# Altium PCB ROS-Robot-Controller.PcbDoc (part 1 of 2)
Units mil, origin at the board's own origin, x right, y up, seen from the top; angles counter-clockwise.
Board outline 1972.2 x 2280.91 mil, 2 copper layers (Top Layer, Bottom Layer); 89 components, 89 nets, 432 pads, 317 vias.
Unrouted connection lines stored in the file: 20.
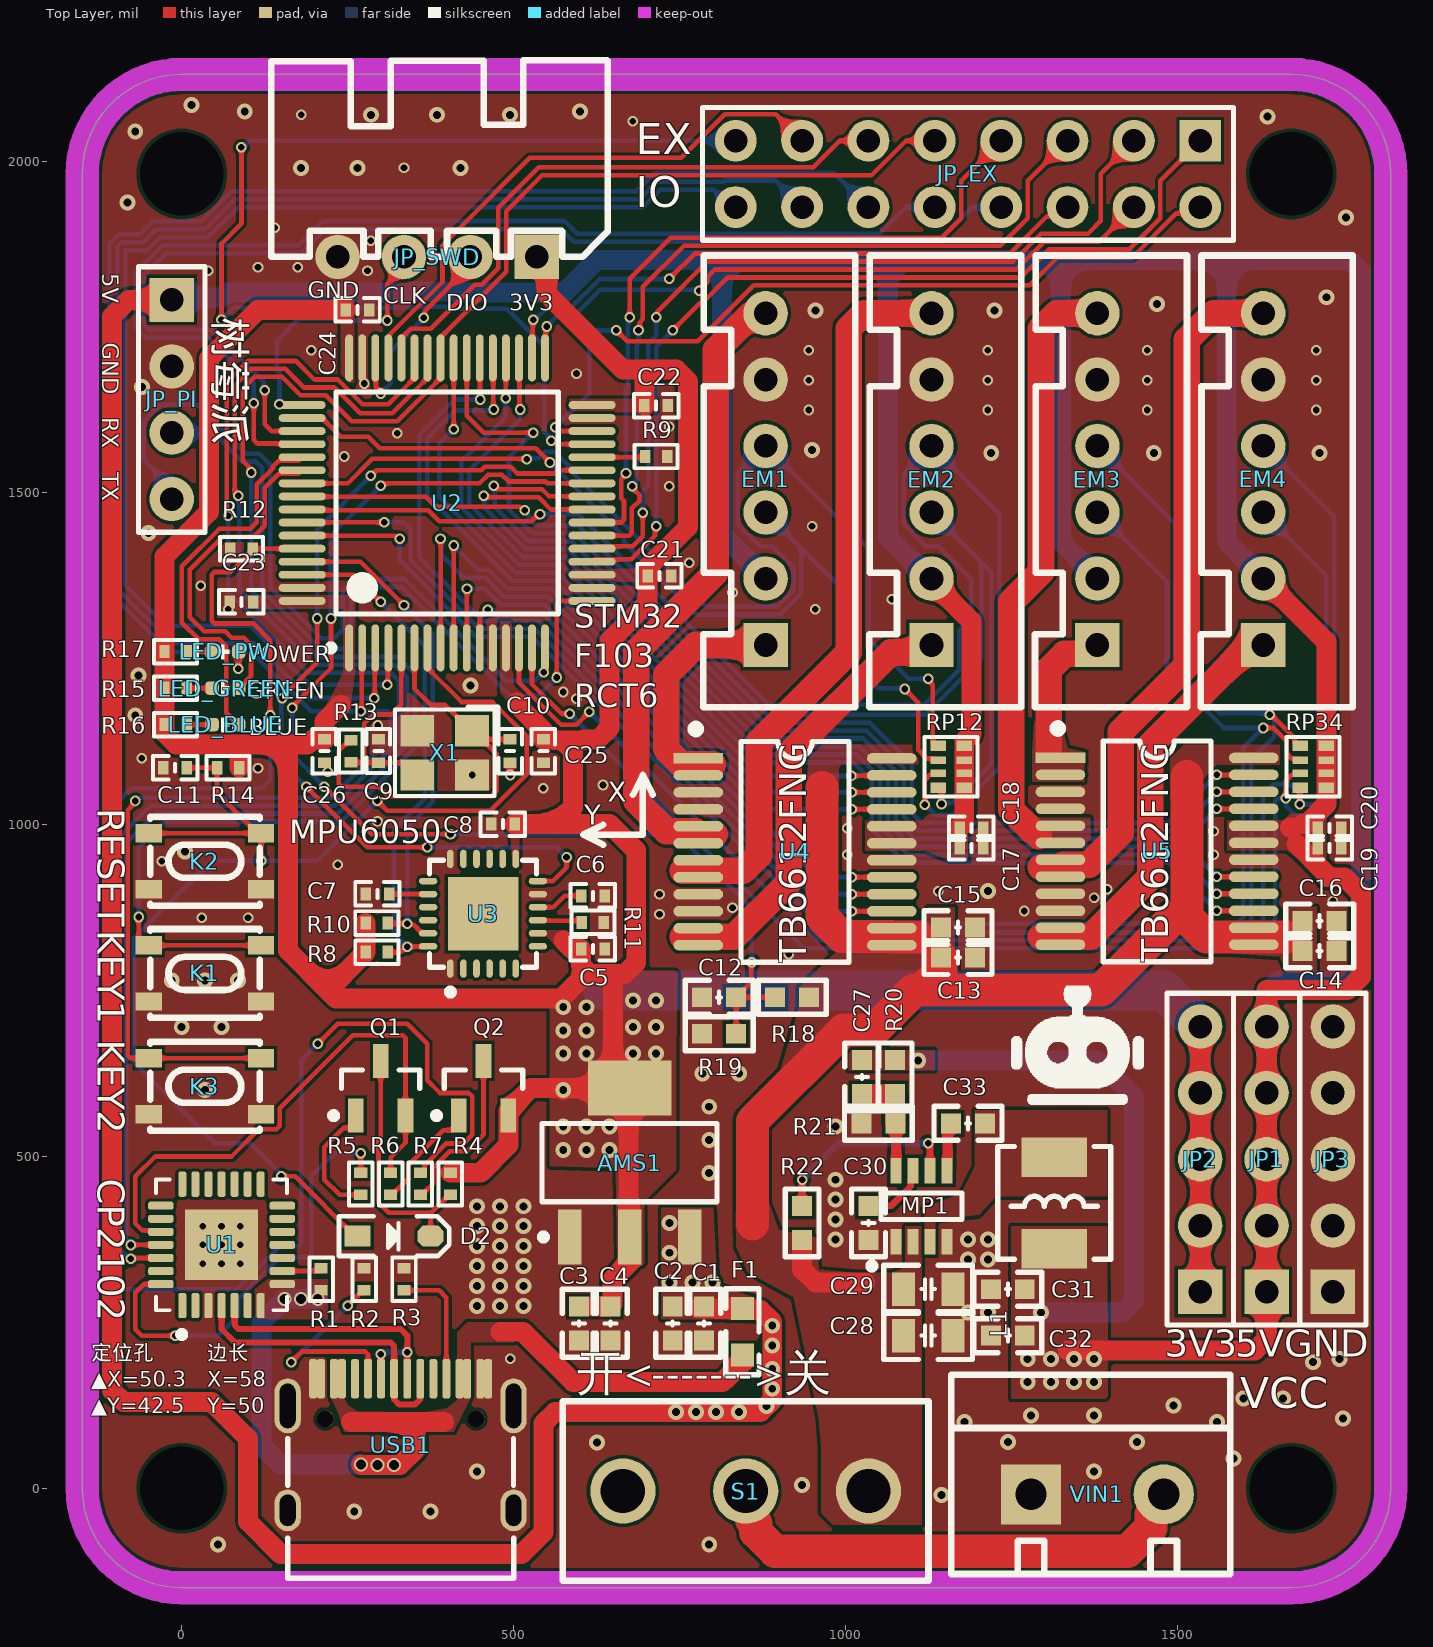
[diagram p0: Top Layer view]
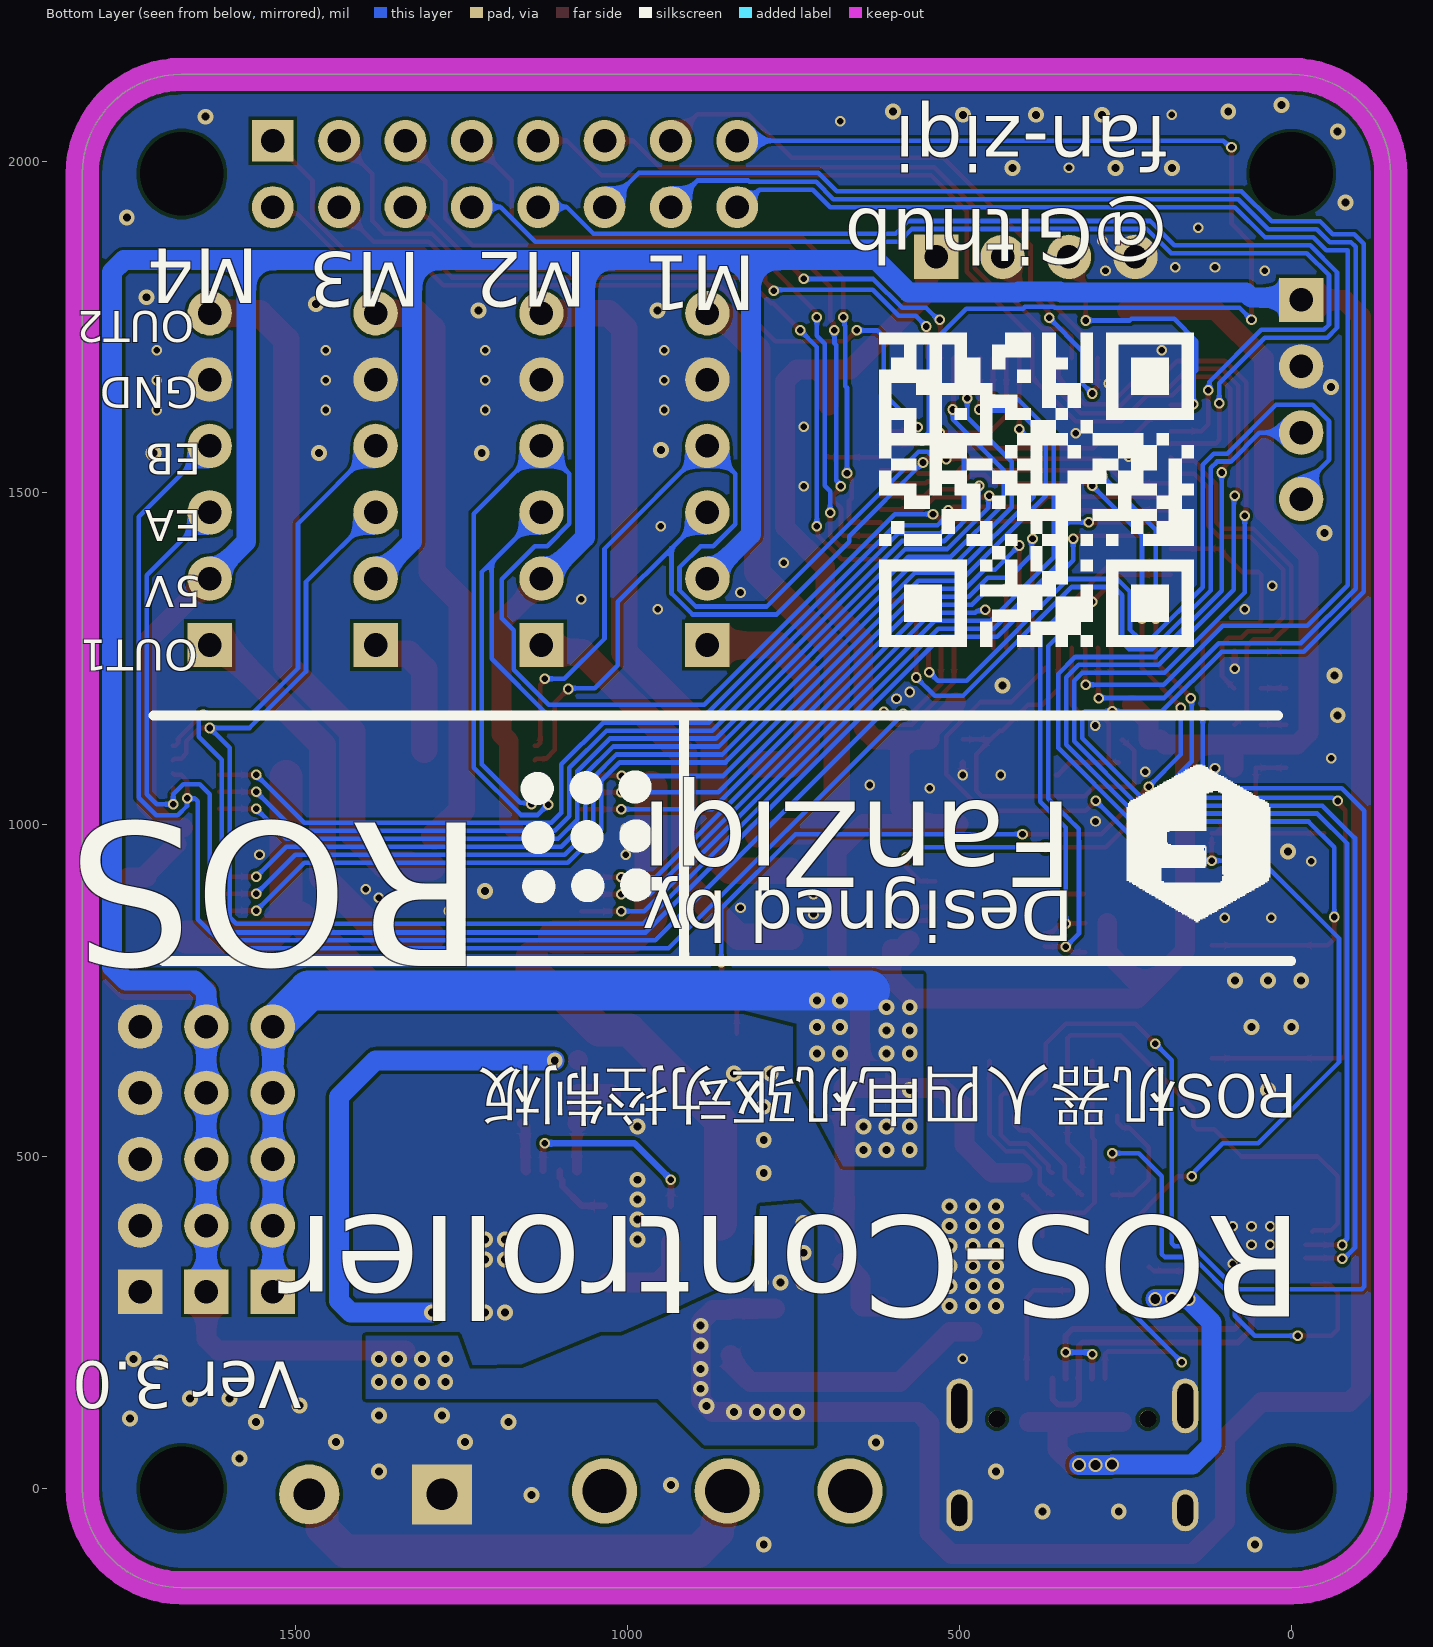
[diagram p1: Bottom Layer view, seen from below]

## Layer stack, top to bottom
Top Solder: solder mask 0.4, Solder Resist, Dk 3.5
Top Layer: signal copper 1.4
Dielectric 1: dielectric 12.6, FR-4, Dk 4.8
Bottom Layer: signal copper 1.4
Bottom Solder: solder mask 0.4, Solder Resist, Dk 3.5

## Board outline
-150,0 ccw(c0,0) 0,-150 1672.2,-150 ccw(c1672.2,0) 1822.2,0 1822.2,1980.91 ccw(c1672.2,1980.91) 1672.2,2130.91 0,2130.91 ccw(c0,1980.91) -150,1980.91

## Design rules (kind name [scope] priority, off if disabled: settings)
Clearance [All] p1: gap=5 ignorepadtopadclearanceinfootprint=FALSE except(0: Arc-Text Track-Text SMDPad-Text THPad-Text Via-Text Fill-Text Poly-Text Region-Text Text-Text Text-Hole)
ComponentClearance [All] p1: gap=0 collisioncheckmode=3 verticalgap=0 showdistances=FALSE
DiffPairsRouting [InDifferentialPair ('CP2102')] p1: maxlimit=10 minlimit=5 mostfreqgap=7 toplayer_minwidth=4 toplayer_maxwidth=9 toplayer_prefwidth=4 bottomlayer_minwidth=4 bottomlayer_maxwidth=9 bottomlayer_prefwidth=4 maxuncoupledlength=500
FanoutControl Fanout_BGA [All] p1: bgadir=Out bgaviamode=Centered fanoutstyle=Auto fanoutdirection=Alternating viagrid=1 // Fanout_BGA (Default Rule)
HoleSize [All] p1: absolutevalues=TRUE maxlimit=235 minlimit=8 maxpercent=80.000 minpercent=20.000
MatchedLengths DiffPair_MatchedLengths [InDifferentialPair ('CP2102')] p1: tolerance=1000 checknetsindiffpair=FALSE checkdiffpairvsdiffpair=TRUE checkxsignals=TRUE checkothers=TRUE
MatchedLengths DiffPair_MatchedLengths_1 [InDifferentialPair ('USB')] p2: tolerance=1000 checknetsindiffpair=FALSE checkdiffpairvsdiffpair=TRUE checkxsignals=TRUE checkothers=TRUE
MinimumSolderMaskSliver [All] p1 off: minsoldermaskwidth=2
NetsToIgnore [InNet('GND')] p1:
PlaneClearance [All] p1: clearance=8
PlaneConnect [All] p1: planeconnectstyle=Direct reliefexpansion=20 reliefentries=4 reliefconductorwidth=10 reliefairgap=10
PolygonConnect [All] p1: connectstyle=Direct reliefconductorwidth=10 reliefentries=4 polygonreliefangle="90 Angle" airgapwidth=10
RoutingVias [All] p1: holewidth=10 width=16 viastyle="Through Hole" minholewidth=6 minwidth=12 maxholewidth=28 maxwidth=50
SMDNeckDown [All] p1: percent=10000.000
SilkToSilkClearance [All] p1: silktosilkclearance=0
SilkToSolderMaskClearance [IsPad] p1: minsilkscreentomaskgap=0 clearancetoexposedcopper=TRUE
SolderMaskExpansion [All] p1: expansion=3 istentingtop=FALSE
Width [InNetClass('BuXian')] p1: maxlimit=7 minlimit=7 preferedwidth=7
Width MOTOR [InNetClass('MOTOR')] p2: maxlimit=40 minlimit=40 preferedwidth=40
Width VCC12V [InNetClass('VCC12V')] p3: maxlimit=50 minlimit=10 preferedwidth=50
Width VCC3V3 [InNetClass('VCC3V3')] p4: maxlimit=60 minlimit=30 preferedwidth=30
Width VCC5V [InNetClass('VCC5V')] p5: maxlimit=60 minlimit=30 preferedwidth=30
Width GND [InNet('GND')] p6: maxlimit=60 minlimit=10 preferedwidth=60
21 further rules are at their usual default settings.

## Classes and differential pairs
net class MOTOR: M1OUT1 M1OUT2 M2OUT1 M2OUT2 M3OUT1 M3OUT2 M4OUT1 M4OUT2
net class VCC5V: USB_5V VCC5V
net class VCC3V3: VCC3V3
net class VCC12V: NetS1_2 VCC12V
net class BuXian: BOOT0 BOOT1 CP2102_D+ CP2102_D- DTR KEY1 KEY2 LED_BLUE LED_GREEN M1EA M1EB M1IN1 M1IN2 M1PWM M2EA M2EB M2IN1 M2IN2 M2PWM M3EA M3EB M3IN1 M3IN2 M3PWM M4EA M4EB M4IN1 M4IN2 M4PWM MPU6050_INT MPU6050_SCL MPU6050_SDA NetC6_2 NetC7_1 NetD2_2 NetLED_BLUE_1 NetLED_GREEN_1 NetLED_PW_1 NetQ1_1 NetQ2_1 NetQ2_3 NetR1_1 NetR2_2 NetR3_2 NetR11_2 OSCIN OSCOUT PA4 PA5 PA6 PA7 PA11 PA12 PB10 PB11 PB12 PB13 PC10 PC11 PC14 PC15 RESET RTS SWCLK SWDIO USART1_RX_DEBUG USART1_TX_DEBUG USART2_RX_PI USART2_TX_PI VIN_ADC
differential pair CP2102: +CP2102_D+ -CP2102_D-

## Components (designator, comment, footprint, x,y, rotation, side; value= is the part's Value field where it differs from the comment)
AMS1 "AMS1117-3V3" SOT223_L 675,490.91 r90 top
C1 "22uf" C0603_L 787,248.62 r90 top
C2 "0.1uf" C0603_L 740,248.62 r90 top
C3 "0.1uf" C0603_L 599,248.62 r90 top
C4 "22uf" C0603_L 646,248.62 r90 top
C5 "0.1uf" C0402_L 619.64,812.95 r180 top
C6 "0.1uf" C0402_L 619.64,892.95 r180 top
C7 "2.2nf" C0402_L 295,895.91 r180 top
C8 "0.1uf" C0402_L 484.09,1000.91 r180 top
C9 "20pf" C0402_L 296.34,1111.18 r90 top
C10 "20pf" C0402_L 495,1110.91 r270 top
C11 "0.1uf" C0402_L -10,1085.91 r0 top
C12 "0.1uf" C0603_L 810,740 r0 top
C13 "0.1uf" C0603_L 1170,800 r180 top
C14 "0.1uf" C0603_L 1715,810 r180 top
C15 "10uf" C0603_L 1170,845 r180 top
C16 "10uf" C0603_L 1715,855 r180 top
C17 "0.1uf" C0402_L 1190,965 r0 top
C18 "10uf" C0402_L 1190,995 r180 top
C19 "0.1uf" C0402_L 1730,965 r0 top
C20 "10uf" C0402_L 1730,995 r180 top
C21 "0.1uf" C0402_L 720,1375 r180 top
C22 "0.1uf" C0402_L 715,1631.81 r180 top
C23 "0.1uf" C0402_L 90,1335.91 r0 top
C24 "0.1uf" C0402_L 265,1775.91 r180 top
C25 "0.1uf" C0402_L 545,1110.91 r90 top
C26 "0.1uf" C0402_L 215,1110.91 r90 top
C27 "33pf" C0603_L 1025,620 r90 top
C28 "22uf" C0805_L 1125,230 r180 top
C29 "0.1uf" C0805_L 1125,300 r180 top
C30 "0.1uf" C0603_L 1035,400 r90 top
C31 "22uf" C0603_L 1245,300 r0 top
C32 "22uf" C0603_L 1245,230 r0 top
C33 "0.1uf" C0603_L 1185,550 r180 top
D2 "1N4148" SOD-323 320,380 r0 top
EM1 "HDR-1X6" XH2.54-LI-6P 880,1520.91 r90 top
EM2 "HDR-1X6" XH2.54-LI-6P 1130,1520.91 r90 top
EM3 "HDR-1X6" XH2.54-LI-6P 1380,1520.91 r90 top
EM4 "HDR-1X6" XH2.54-LI-6P 1630,1520.91 r90 top
F1 "MSMD200-8V 2A" "FU 0603" 845,235.91 r90 top
JP1 "HDR-1X5" HDR2.54-LI-5P 1635,495.91 r90 top
JP2 "HDR-1X5" HDR2.54-LI-5P 1535,495.91 r90 top
JP3 "HDR-1X5" HDR2.54-LI-5P 1735,495.91 r90 top
JP_EX "Header 8X2" HDR2.54-LI-2x8P 1185,1980.9 r180 top
JP_PI "HDR-1X4" HDR2.54-LI-4P -15,1640.91 r270 top
JP_SWD "HDR-1X4" XH2.54-WI-4P 385,1855.91 r180 top
K1 "TACT 4P" SW-SMD_4P-L4.2-W3.3-P2.15-LS5.1 35,775.91 r0 top value=3.4x3.5
K2 "TACT 4P" SW-SMD_4P-L4.2-W3.3-P2.15-LS5.1 35,945 r0 top value=3.4x3.5
K3 "TACT 4P" SW-SMD_4P-L4.2-W3.3-P2.15-LS5.1 35,605.91 r0 top value=3.4x3.5
L1 "4.7uH" L-SMD-0420 1315,430 r90 top
LED_BLUE "红色" LED_0402_RED 65.83,1150.91 r0 top
LED_GREEN "红色" LED_0402_RED 65.83,1205.91 r0 top
LED_PW "红色" LED_0402_RED 65.83,1260.91 r0 top
MP1 "MP2315GJ" SOT23-8N 1115,425 r90 top
Q1 "SS8050" SOT23-3N 299.84,602.95 r90 top
Q2 "SS8550" SOT23-3N 454.84,602.95 r90 top
R1 "4.7K" R0402_L 210,315 r270 top
R2 "5.1K" R0402_L 275,315 r270 top
R3 "5.1K" R0402_L 335,315 r270 top
R4 "10K" R0402_L 404.84,458.86 r270 top
R5 "1K" R0402_L 269.84,458.86 r270 top
R6 "1K" R0402_L 314.84,458.86 r270 top
R7 "1K" R0402_L 359.84,458.86 r90 top
R8 "4.7K" R0402_L 294.02,807.95 r180 top
R9 "10K" R0402_L 715,1555 r0 top
R10 "4.7K" R0402_L 294.02,851.93 r180 top
R11 "10K" R0402_L 619.64,852.95 r180 top
R12 "10K" R0402_L 90,1415.91 r180 top
R13 "1M" R0402_L 255,1110.91 r270 top
R14 "10K" R0402_L 70,1085.91 r0 top
R15 "1K" R0402_L -9.17,1205.91 r180 top
R16 "1K" R0402_L -9.17,1150.91 r180 top
R17 "1K" R0402_L -9.17,1260.91 r180 top
R18 "10K" R0603_L 920,740 r0 top
R19 "1K" R0603_L 810,685 r0 top
R20 "40.2K" R0603_L 1075,620 r270 top
R21 "5.49K" R0603_L 1050,550 r180 top
R22 "100K" R0603_L 935,400 r270 top
RP12 "4.7K" RCA-8P4R-0402 1159.69,1087.4 r270 top
RP34 "4.7K" RCA-8P4R-0402 1705.31,1087.4 r270 top
S1 "SS-12F23" SS-12D10 849.96,-4.09 r0 top
U1 "CP2102" QFN-28 60,366.81 r90 top value=Value
U2 "STM32F103RCT6" LQFP64_N 400,1485 r90 top
U3 "MPU6050" QFN-24 454.1,865.9 r90 top
U4 "TB6612FNG" SSOP24_M 924.33,959.29 r0 top
U5 "TB6612FNG" SSOP24_M 1470,960 r0 top
USB1 "Type-C" Type-C-TOP 330,65.91 r270 top
VIN1 "HDR-1X2" KF301-5.0-2P 1480,-9.09 r0 top
X1 "8M" "OSC 3225-4P" 396.34,1108.46 r180 top

## Footprints (in the part's own frame and the unit in brackets; to place one, negate y for a bottom-side part, rotate by r counter-clockwise, add the part's x,y. Pads: shape width x height; smd on the part's side, far side on the other; paste and mask are expansions set on the pad)
C0402_L [mm] "无极性贴片电容"
  rect 0.4x0.5 smd: 1(-0.45,0) 2(0.45,0)
  silkscreen extent -0.85,-0.45 0.85,0.45, body extent -0.5,-0.26 0.5,0.26, height 0.54
C0603_L [mil] "无极性贴片电容"
  rect 30x30 smd: 1(-25.59,0) 2(25.59,0)
  silkscreen extent -51,-26 51,26, body extent -31,-16 32,16, height 33
C0805_L [mil] "无极性贴片电容"
  rect 35x50 smd: 1(-37.4,0) 2(37.4,0)
  silkscreen extent -67,-36 67,36, body extent -39,-24 39,24, height 22
"FU 0603" [mil] "贴片保险丝"
  rect 35x35 smd: 1(-35,0) 2(35,0)
  silkscreen extent -65,-25 65,25, body extent -31,-16 32,16, height 20
HDR2.54-LI-2x8P [mm] "双排排针，8x2脚"
  rect 1.6x1.6 hole 0.9: 1(-8.89,-1.27)
  round 1.6 hole 0.9: 2(-8.89,1.27) 3(-6.35,-1.27) 4(-6.35,1.27) 5(-3.81,-1.27) 6(-3.81,1.27) 7(-1.27,-1.27) 8(-1.27,1.27) 9(1.27,-1.27) 10(1.27,1.27) 11(3.81,-1.27) 12(3.81,1.27) 13(6.35,-1.27) 14(6.35,1.27) 15(8.89,-1.27) 16(8.89,1.27)
  silkscreen extent -10.16,-2.54 10.16,2.54, body extent -10.16,-2.54 10.16,2.54, height 8.5
HDR2.54-LI-4P [mm] "排针，4脚"
  rect 1.7x1.7 hole 0.9: 1(-3.81,0)
  round 1.7 hole 0.9: 2(-1.27,0) 3(1.27,0) 4(3.81,0)
  silkscreen extent -5.08,-1.27 5.08,1.27, body extent -5.08,-1.27 5.08,1.27, height 2.54
HDR2.54-LI-5P [mm] "排针，5脚"
  rect 1.7x1.7 hole 0.9: 1(-5.08,0)
  round 1.7 hole 0.9: 2(-2.54,0) 3(0,0) 4(2.54,0) 5(5.08,0)
  silkscreen extent -6.35,-1.27 6.35,1.27, body extent -6.35,-1.27 6.35,1.27, height 2.54
KF301-5.0-2P [mm] "可拼接端子/6A"
  rect 2.3x2.3 hole 1.2: 1(-5.08,0)
  round 2.3 hole 1.2: 2(0,0)
  silkscreen extent -8.13,-3.05 2.54,4.57, body extent -7.95,-3 2.55,4.6, height 3.29
L-SMD-0420 [mm] "一体化成型电感"
  rect 1.5x2.5 smd: 1(-1.75,0) 2(1.75,0)
  silkscreen extent -2.16,-2.16 2.16,2.16, body extent -2.25,-2.05 2.25,2.05, height 2.05
LED_0402_RED [mil]
  rrect50% 20x20 smd: 1(-20,0) 2(20,0)
  silkscreen extent -6,-11 6,10, body extent -20,-10 20,10, height 18
LQFP64_N [mm] "Thin QFP, 64-Leads, Body 10x10mm, Pitch 0.5mm, IPC Medium Density封装库来自淘宝 ID：黄晶宝石"
  oval 1.8x0.3 smd: 1(-5.55,3.75) 2(-5.55,3.25) 3(-5.55,2.75) 4(-5.55,2.25) 5(-5.55,1.75) 6(-5.55,1.25) 7(-5.55,0.75) 8(-5.55,0.25) 9(-5.55,-0.25) 10(-5.55,-0.75) 11(-5.55,-1.25) 12(-5.55,-1.75) 13(-5.55,-2.25) 14(-5.55,-2.75) 15(-5.55,-3.25) 16(-5.55,-3.75) 33(5.55,-3.75) 34(5.55,-3.25) 35(5.55,-2.75) 36(5.55,-2.25) 37(5.55,-1.75) 38(5.55,-1.25) 39(5.55,-0.75) 40(5.55,-0.25) 41(5.55,0.25) 42(5.55,0.75) 43(5.55,1.25) 44(5.55,1.75) 45(5.55,2.25) 46(5.55,2.75) 47(5.55,3.25) 48(5.55,3.75)
  oval 0.3x1.8 smd: 17(-3.75,-5.55) 18(-3.25,-5.55) 19(-2.75,-5.55) 20(-2.25,-5.55) 21(-1.75,-5.55) 22(-1.25,-5.55) 23(-0.75,-5.55) 24(-0.25,-5.55) 25(0.25,-5.55) 26(0.75,-5.55) 27(1.25,-5.55) 28(1.75,-5.55) 29(2.25,-5.55) 30(2.75,-5.55) 31(3.25,-5.55) 32(3.75,-5.55) 49(3.75,5.55) 50(3.25,5.55) 51(2.75,5.55) 52(2.25,5.55) 53(1.75,5.55) 54(1.25,5.55) 55(0.75,5.55) 56(0.25,5.55) 57(-0.25,5.55) 58(-0.75,5.55) 59(-1.25,5.55) 60(-1.75,5.55) 61(-2.25,5.55) 62(-2.75,5.55) 63(-3.25,5.55) 64(-3.75,5.55)
  silkscreen extent -5.67,-4.25 4.25,4.57, body extent -6,-6 6,6, height 1.45
"OSC 3225-4P" [mm] "3.2*2.5*0.7mm(长宽高)"
  rect 1.3x1.2 smd: 1(-1.05,-0.85) 2(1.05,-0.85) 3(1.05,0.85) 4(-1.05,0.85)
  silkscreen extent -2.03,-1.75 1.91,1.65, body extent -1.6,-1.25 1.6,1.25, height 0.7
QFN-24 [mm] "QFN, 24-Leads, Body 4.1x4.1mm (max), Pitch 0.50mm, IPC Low Density"
  oval 0.7x0.25 smd: 1(-2.1,1.25) 2(-2.1,0.75) 3(-2.1,0.25) 4(-2.1,-0.25) 5(-2.1,-0.75) 6(-2.1,-1.25) 13(2.1,-1.25) 14(2.1,-0.75) 15(2.1,-0.25) 16(2.1,0.25) 17(2.1,0.75) 18(2.1,1.25)
  oval 0.25x0.7 smd: 7(-1.25,-2.1) 8(-0.75,-2.1) 9(-0.25,-2.1) 10(0.25,-2.1) 11(0.75,-2.1) 12(1.25,-2.1) 19(1.25,2.1) 20(0.75,2.1) 21(0.25,2.1) 22(-0.25,2.1) 23(-0.75,2.1) 24(-1.25,2.1)
  rect 2.8x2.7 smd: ""(0,0)
  silkscreen extent -3.12,-2.05 2.05,2.05, body extent -2.02,-2.02 2.02,2.02, height 0.95
QFN-28 [mil]
  rrect50% 38x12 smd mask+5: 1(-91.5,59.05) 2(-91.5,39.37) 3(-91.5,19.68) 4(-91.5,0) 5(-91.5,-19.69) 6(-91.5,-39.37) 7(-91.5,-59.06) 15(91.5,-59.06) 16(91.5,-39.37) 17(91.5,-19.69) 18(91.5,0) 19(91.5,19.68) 20(91.5,39.37) 21(91.5,59.05)
  rrect50% 12x38 smd mask+5: 8(-59.05,-91.5) 9(-39.37,-91.5) 10(-19.68,-91.5) 11(0,-91.5) 12(19.69,-91.5) 13(39.37,-91.5) 14(59.06,-91.5) 22(59.06,91.5) 23(39.37,91.5) 24(19.69,91.5) 25(0,91.5) 26(-19.68,91.5) 27(-39.37,91.5) 28(-59.05,91.5)
  rect 106.3x110.24 smd: 29(0,0)
  silkscreen extent -140,-98 99,98, body extent -98,-98 98,98, height 35
R0402_L [mm] "1/16W贴片电阻"
  rect 0.4x0.5 smd: 1(-0.425,0) 2(0.425,0)
  silkscreen extent -0.83,-0.45 0.82,0.45, body extent -0.5,-0.25 0.5,0.25, height 0.3
R0603_L [mil] "1/10W贴片电阻"
  rect 30x30 smd: 1(-25.59,0) 2(25.59,0)
  silkscreen extent -51,-26 51,26, body extent -31,-16 32,16, height 16
RCA-8P4R-0402 [mm] "2mm*1mm*0.45mm(长*宽*厚)             淘宝ID:黄晶宝石"
  rect 0.4x0.6 smd: 1(-0.8,-0.5) 4(0.8,-0.5) 5(0.8,0.5) 8(-0.8,0.5)
  rect 0.3x0.6 smd: 2(-0.25,-0.5) 3(0.25,-0.5) 6(0.25,0.5) 7(-0.25,0.5)
  silkscreen extent -1.14,-1.02 1.15,1.01, body extent -1,-0.5 1,0.5, height 0.45
SOD-323 [mm] "1.8x1.3X0.9mm（长宽高，不包括引脚）"
  rect 1x0.8 smd: 1(-1.4,0)
  oct 1x0.8 smd: 2(1.4,0)
  silkscreen extent -2.11,-0.76 2.11,0.76, body extent -1.32,-0.65 1.32,0.65, height 0.95
SOT23-3N [mm] "SOT23, 3-Leads, Body 2.9x1.3mm, Pitch 0.95mm, Lead Span 2.4mm, IPC Medium Density"
  rect 1.3x0.6 smd: 1(-1.05,0.95) 2(-1.05,-0.95) 3(1.05,0)
  silkscreen extent -1.17,-1.5 0.7,1.92, body extent -1.2,-1.5 1.2,1.5, height 1.05
SOT23-8N [mil] "SOT23, 8-Leads, Body 2.9x1.75mm, Pitch 0.65mm."
  rect 38.5x17 smd paste+0: 1(-53.75,38.39) 2(-53.75,12.8) 3(-53.75,-12.8) 4(-53.75,-38.39) 5(53.75,-38.39) 6(53.75,-12.8) 7(53.75,12.8) 8(53.75,38.39)
  silkscreen extent -95,-61 20,80, body extent -55,-59 55,59, height 47
SOT223_L [mm] "SOT223, 4-Leads, Body 6.5x3.5mm, Pitch 2.3mm, Lead Span 7mm, IPC High Density"
  rect 2.1x0.9 smd: 1(-2.85,2.3) 2(-2.85,0) 3(-2.85,-2.3)
  rect 2.1x3.2 smd: 4(2.85,0)
  silkscreen extent -2.97,-3.35 1.5,3.42, body extent -1.85,-3.35 1.85,3.35, height 1.7
SS-12D10 [mm] "脚距3mm      淘宝ID:黄晶宝石"
  round 2.5 hole 1.7: 1(-4.7,0) 2(0,0) 3(4.7,0)
  silkscreen extent -7,-3.43 7,3.43, body extent -7,-3.1 7,3.1, height 9.65
SSOP24_M [mm] "8.3*7.8*1.6（长宽高）"
  rect 1.9x0.4 smd: 1(-3.7,3.575)
  oval 1.9x0.4 smd: 2(-3.7,2.925) 3(-3.7,2.275) 4(-3.7,1.625) 5(-3.7,0.975) 6(-3.7,0.325) 7(-3.7,-0.325) 8(-3.7,-0.975) 9(-3.7,-1.625) 10(-3.7,-2.275) 11(-3.7,-2.925) 12(-3.7,-3.575) 13(3.7,-3.575) 14(3.7,-2.925) 15(3.7,-2.275) 16(3.7,-1.625) 17(3.7,-0.975) 18(3.7,-0.325) 19(3.7,0.325) 20(3.7,0.975) 21(3.7,1.625) 22(3.7,2.275) 23(3.7,2.925) 24(3.7,3.575)
  silkscreen extent -3.93,-4.23 2.07,4.83, body extent -3.85,-4.15 3.85,4.15, height 1.65
SW-SMD_4P-L4.2-W3.3-P2.15-LS5.1 [mm]
  rect 1x0.7 smd: 1(-2.15,1.075) 2(2.15,1.075) 3(-2.15,-1.075) 4(2.15,-1.075)
  silkscreen extent -2.1,-1.7 2.1,1.7
Type-C-TOP [mm]
  round 0.65 hole 0.65: 0(-0.98,2.89) 0(-0.98,-2.89)
  oval 1.6x1 hole 0.6 slot 1.2 at 0 deg: 1(2.52,4.325) 2(2.52,-4.325)
  oval 2.1x1 hole 0.6 slot 1.7 at 0 deg: 3(-1.48,-4.325) 4(-1.48,4.325)
  rrect50% 1.5x0.3 smd: A1(-2.52,-3.35) A4(-2.52,-2.55) A5(-2.52,-1.25) A6(-2.52,-0.25) A7(-2.52,0.25) A8(-2.52,1.25) A9(-2.52,2.55) A12(-2.52,3.35) B1(-2.52,3.05) B4(-2.52,2.25) B5(-2.52,1.75) B6(-2.52,0.75) B7(-2.52,-0.75) B8(-2.52,-1.75) B9(-2.52,-2.25) B12(-2.52,-3.05)
  silkscreen extent -0.22,-4.33 5.12,4.32, body extent -2.57,-4.48 5.18,4.48, height 3.26
XH2.54-LI-6P [mm] "接插件，6P"
  rect 1.7x1.7 hole 0.9: 1(-6.35,0)
  round 1.7 hole 0.9: 2(-3.81,0) 3(-1.27,0) 4(1.27,0) 5(3.81,0) 6(6.35,0)
  silkscreen extent -8.74,-3.43 8.56,2.39, body extent -8.85,-3.3 8.85,2.4, height 7.05
XH2.54-WI-4P [mm] "接插件，4P"
  rect 1.7x1.7 hole 0.9: 1(-3.81,0)
  round 1.7 hole 0.9: 2(-1.27,0) 3(1.27,0) 4(3.81,0)
  silkscreen extent -6.53,-7.53 6.35,0, body extent -6.31,-7.5 6.31,0.2, height 2.89

## Part data
AMS1: library part AMS1117, "三端稳压芯片", BOM名称=稳压芯片, 封装库来自淘宝卖家 ID：黄晶宝石=其他店铺购入均为盗版，请立即申请退款，本店现金奖励5~20元, 联系卖家 免费查找封装=唯一出售店铺网址https://shop463601444.taobao.com
C1 C2 C3 C4 C5 C6 C7 C8 C9 C10 C11 C12 C13 C14 C15 C16 C17 C18 C19 C20 C21 C22 C23 C24 C25 C26 C27 C28 C29 C30 C31 C32 C33: library part C, "贴片电容", BOM名称=无极性贴片电容, 封装库来自淘宝卖家ID：黄晶宝石=其他店铺购入均为盗版假冒封装库，请立即申请退款, 联系卖家，免费查找封装=唯一出售店铺网址https://shop463601444.taobao.com
D2: "开关二极管", BOM名称=高速开关二极管, 联系卖家，免费查找封装=唯一出售店铺网址https://shop463601444.taobao.com
EM1 EM2 EM3 EM4: library part "Header 6", "6P接插件", BOM名称=6P接插件, 封装库来自淘宝卖家 ID：黄晶宝石=其他店铺购入均为盗版假冒封装库, 联系卖家，免费查找封装=唯一出售店铺网址https://shop463601444.taobao.com
F1: library part FU, "贴片保险丝", BOM名称=贴片保险丝, 联系卖家，免费查找封装=唯一出售店铺网址https://shop463601444.taobao.com
JP1 JP2 JP3: library part "Header 5", "5P接插件", BOM名称=5P接插件, 封装库来自淘宝卖家 ID：黄晶宝石=其他店铺购入均为盗版假冒封装库, 联系卖家，免费查找封装=唯一出售店铺网址https://shop463601444.taobao.com
JP_EX: "8*2P接插件", BOM名称=8*2P接插件, 封装库来自淘宝卖家 ID：黄晶宝石=其他店铺购入均为盗版假冒封装库, 联系卖家，免费查找封装=唯一出售店铺网址https://shop463601444.taobao.com
JP_PI JP_SWD: library part "Header 4", "4P接插件", BOM名称=4P接插件, 封装库来自淘宝卖家 ID：黄晶宝石=其他店铺购入均为盗版假冒封装库, 联系卖家，免费查找封装=唯一出售店铺网址https://shop463601444.taobao.com
K1 K2 K3: library part ButtonTACT, "Button", Type="TACT 4P"
L1: library part "L-Molding Choke", "一体成型电感", BOM名称=一体成型电感, 封装库来自淘宝卖家ID：黄晶宝石=其他店铺购入均为盗版假冒封装库，请立即申请退款, 联系卖家，免费查找封装=唯一出售店铺网址https://shop463601444.taobao.com
LED_BLUE LED_GREEN LED_PW: library part LED-SMD, "贴片LED", BOM名称=贴片LED, 封装库来自淘宝卖家 ID：黄晶宝石=其他店铺购入均为假冒，请立即申请退款，本店奖励现金5~20元
MP1: library part MP2315, "3A/24V DC-DC降压芯片", 封装库来自淘宝卖家 ID：黄晶宝石=其他店铺购入均为盗版，请立即申请退款，本店现金奖励5~20元, 联系卖家 免费查找封装=唯一出售店铺网址https://shop463601444.taobao.com
Q1: library part 8050-SMD, "高频放大-NPN型", BOM名称=高频放大-NPN型, 参数="40V 1.5A 1W 100MHZ", 封装库来自淘宝卖家 ID：黄晶宝石=其他店铺购入均为盗版，不享受售后技术支持服务，请立即申请退款, 联系卖家，免费查找封装=唯一出售店铺网址https://shop463601444.taobao.com
Q2: library part 8550-SMD, "高频放大-PNP型", BOM名称=高频放大-PNP型, 参数="40V 1.5A 1W 100MHZ", 封装库来自淘宝卖家 ID：黄晶宝石=其他店铺购入均为盗版，不享受售后技术支持服务，请立即申请退款, 联系卖家，免费查找封装=唯一出售店铺网址https://shop463601444.taobao.com
R1 R2 R3 R4 R5 R6 R7 R8 R9 R10 R11 R12 R13 R14 R15 R16 R17 R18 R19 R20 R21 R22: library part R, "贴片电阻", BOM名称=贴片电阻, 封装库来自淘宝卖家ID：黄晶宝石=其他店铺购入均为盗版假冒封装库，请立即申请退款, 联系卖家，免费查找封装=唯一出售店铺网址https://shop463601444.taobao.com
RP12 RP34: library part R-8P4R, "贴片4P排阻", BOM名称=贴片网络排阻, 封装库来自淘宝卖家ID：黄晶宝石=其他店铺购入均为盗版假冒封装库，请立即申请退款, 联系卖家，免费查找封装=唯一出售店铺网址https://shop463601444.taobao.com
S1: library part SSW-1P, "1路波动开关", BOM名称=波动开关, 联系卖家，免费查找封装=唯一出售店铺网址https://shop463601444.taobao.com
U1: "USB转TTL", MFG #1="SILICON LABS", PART DESC="SINGLE-CHIP USB TO UART BRIDGE, QFN28, RoHS.", PART NUMBER=CP2102, RefDes=RefDes, Type=DEV
U2: "STM32 ARM-based 32-bit MCU Performance Line with 256 kB Flash, 48 kB Internal RAM, -40 to +85癈 Temperature, 64-Pin LQFP, Tray", ComponentLink1Description="Manufacturer URL", ComponentLink1URL=http://www.st.com/, ComponentLink2Description="STM32F103 Datasheet", ComponentLink2URL=http://www.st.com/internet/com/TECHNICAL_RESOURCES/TECHNICAL_LITERATURE/DATASHEET/CD00191185.pdf, ComponentLink3Description="STM32 Family Web Page", ComponentLink3URL=www.st.com/stm32, DatasheetVersion="rev8.0, Apr-2011", PackageDescription="64-Pin Low-Profile Quad Flat Pack, 10 x 10 mm Body, 0.5 mm Pitch (LQFP64)", PackageReference=LQFP64, PackageVersion="rev13, Apr-2011", 联系卖家，免费查找封装=唯一出售店铺网址https://shop463601444.taobao.com
U3: "六轴传感器"
U4 U5: "电机驱动", BOM名称=TB6612FNG, 联系卖家，免费查找封装=唯一出售店铺网址https://shop463601444.taobao.com
USB1: library part USB-Type-C-TOP
VIN1: library part "Header 2", "2P接插件", BOM名称=2P接插件, 封装库来自淘宝卖家 ID：黄晶宝石=其他店铺购入均为盗版假冒封装库, 联系卖家，免费技术支持=唯一出售店铺网址https://shop463601444.taobao.com
X1: library part XTAL-4P, "4脚无源晶振", BOM名称=4脚无源晶振, 联系卖家，免费查找封装=唯一出售店铺网址https://shop463601444.taobao.com

## Free pads (board coordinates)
  round 0 hole 125.98: 5(0,0) 5(0,1980.91) 5(1672.2,0) 5(1672.2,1980.91)

## Via types
v1: diameter 16, hole 10, Top Layer to Bottom Layer, tented both sides, 178 vias
v2: diameter 24, hole 12, Top Layer to Bottom Layer, tented both sides, 133 vias
v3: diameter 21, hole 15, Top Layer to Bottom Layer, tented both sides, 6 vias

## Nets (pads, with @x,y where several pads share a name; then routed paths per layer and width w, separated by ;. In a path a pad name is that pad's centre, name@x,y a point inside that pad or via, vN(x,y) a via of type N, cw(c..) or ccw(c..) an arc to the next point about the centre after c; other vN are vias at no path point)
BOOT0: R7.2 R12.1 U2.60 | length 2629.3
  Top Layer w7: 45,1352.93 45,1307.51 49.1,1303.41 107.5,1303.41 133.5,1277.41 v1(133.5,1165) ; 45,1367.07 45,1376.8 49.1,1380.91 73.7,1380.91 R12.1@106.73,1413.94 ; 45.24,1353.17 45.24,1366.83 ; R12.1@106.73,1416.1 U2.60@181.5,1416.1 ; v1(205,670) 235,700 340,700 370,670 370,615 389.3,595.7 432.77,595.7 437.75,590.73 437.75,532.5 424.97,519.72 398.77,519.72 366.18,487.14 366.18,479.97 361.81,475.59 R7.2@359.84,475.59
  Bottom Layer w7: v1(133.5,1165) 133.5,1067.6 120.9,1055 -75.91,1055 -110,1020.91 -110,304.1 -105.9,300 83.03,300 148.03,365 175.9,365 180,369.1 180,645 v1(205,670)
BOOT1: R9.1 U2.28 | length 80.2
  Top Layer w7: U2.28@618.5,1553.9 697.16,1553.9 R9.1@698.27,1555
CP2102_D+: U1.4 USB1.A6 USB1.B6 | length 465.6
  Top Layer w9: U1.4@60,275.31 60,240 80,220 314.73,220 320,214.73 320,134.05 327.96,126.09 351.09,126.09 360,135 360,164.64 USB1.B6@359.53,165.12 ; USB1.A6@320.16,165.12 USB1.A6@321.47,166.43
CP2102_D-: U1.5 USB1.A7 USB1.B7 | length 441.9
  Top Layer w9: U1.5@78.19,273.81 U1.5@79.69,275.31 80,275 80,245.27 85.27,240 330,240 340,230 v1(340,205) 339.92,204.92 339.92,165.2 USB1.A7@339.84,165.12 ; v1(300.1,202.24) 300.29,202.06 300.29,165.3 USB1.B7@300.47,165.12
  Bottom Layer w9: v1(300.1,202.24) 302,202.24 304.76,205 v1(340,205)
DTR: R5.1 U1.28 | length 669.7
  Top Layer w7: U1.28@-31.5,307.76 -57.24,307.76 -70,295 -70,240 -60,230 v1(-10,230) ; R5.1@269.85,475.59 269.92,475.67 269.92,504.92 v1(270,505)
  Bottom Layer w7: v1(-10,230) 55,230 85,260 85,285 148.58,348.58 190.9,348.58 195,352.68 195,470 230,505 v1(270,505)
GND: AMS1.1 C1.1 C2.1 C3.1 C4.1 C5.1 C6.1 C7.2 C8.2 C9.2 C10.2 C11.1 C12.1 C13.1 C14.1 C15.1 C16.1 C17.2 C18.1 C19.2 C20.1 C21.1 C22.1 C23.1 C24.1 C25.1 C26.1 C28.1 C29.1 C30.1 C31.1 C32.1 EM1.5 EM2.5 EM3.5 EM4.5 JP3.1 JP3.2 JP3.3 JP3.4 JP3.5 JP_PI.2 JP_SWD.4 K1.3 K1.4 K2.3 K2.4 K3.3 K3.4 LED_PW.2 MP1.1 MP1.4 R2.1 R3.1 R9.2 R11.1 R12.2 R19.1 R21.2 U1.3 U1.29 U2.12 U2.18 U2.31 U2.47 U2.63 U3.1 U3.11 U3.18 U4.3 U4.4 U4.9 U4.10 U4.18 U5.3 U5.4 U5.9 U5.10 U5.18 USB1.1 USB1.2 USB1.3 USB1.4 USB1.A1 USB1.A12 USB1.B1 USB1.B12 VIN1.1 X1.2 X1.4 | length 44.9
  Top Layer w10: v1(85,1235) 85,1260.91 LED_PW.2@85.83,1260.91 ; v1(495,1075) C10.2@495,1093.19
  other v1: 495,195 31.81,338.62 60,338.62 88.19,338.62 31.81,366.81 60,366.81 88.19,366.81 31.81,395 60,395 88.19,395 915,805 30,860 100,860 720,865 1270,870 830,875 1735,885 1375,890 720,895 1140,900 1395,902.91 235,940 -30,945 1003,955 1555,955 1555,990 1003,995 295,1005 545,1055 635,1060 437.68,1075 220,1080 115,1085 -60,1100 295.38,1149.62 595,1190 575,1200 70,1325 955,1325 1070,1340 830,1350 28.74,1360 765,1395 950,1450 735,1510 245,1555 325,1590 735,1600 945,1625 1215,1625 1455,1625 1710,1625 275,1665 945,1670 1215,1670 1455,1670 1710,1670 595,1680 195,1715 945,1715 1215,1715 1455,1715 1710,1715 40,1835 280,1835 115,1840 175,1840 285,1880 140,1900 335,1990 680,2060 180,2070
  other v2: 55,-85 795,-85 260,-35 375,-35 1145,-10 935,5 445,25 1375,25 1585,45 625.87,68.87 1245,70 1440,70 1180,100 1560,100 1750,105 1280,110 1375,110 1495,125 1600,135 1660,135 1705,190 1745,195 1185,265 1215,265 445,275 480,275 515,275 445,305 480,305 515,305 445,335 480,335 515,335 1185,345 1215,345 445,365 480,365 515,365 985,375 1185,375 1215,375 445,395 480,395 515,395 985,405 445,425 480,425 515,425 985,435 985,465 795,475 795,525 985,545 795,575 35,600 785,625 840,625 0,695 60,695 -15,765 35,765 85,765 1215,900 5,960 -70,1165 435,1210 -65,1225 -50,1440 1220,1560 1465,1560 1715,1560 950,1565 -60,1660 955,1775 1225,1775 1470,1785 1725,1795 1755,1915 -81.86,1938.03 180,1990 265,1990 420,1990 -70,2045 1636.49,2067.09 285,2070 385,2070 495,2070 95,2075 600,2075 15,2085
KEY1: JP_EX.9 K1.1 K1.2 U2.41 | length 2866.3
  Top Layer w7: v1(-65,860.91) -65,828.51 -54.72,818.23 K1.2@119.65,818.23 ; v1(105,1530.91) 105,1535.91 92,1548.91 92,1657 110,1675 151.1,1675 179.05,1647.04 216.99,1647.04 256.03,1608 324.87,1608 390.16,1673.29 U2.41@390.16,1703.5 390.16,1734.33 392.56,1736.74 392.56,1737.15 488.96,1833.55 488.96,1924.87 543,1978.91 1039.57,1978.91 1091.56,2030.91 JP_EX.9@1135,2030.91
  Bottom Layer w7: v1(-65,860.91) -65,965.79 -25.88,1004.91 240.17,1004.91 351,1115.74 351,1227.18 325.28,1252.91 204.72,1252.91 105,1352.63 v1(105,1530.91)
KEY2: JP_EX.12 K3.1 K3.2 U2.2 | length 3383.1
  Top Layer w7: v1(-70,1035.91) -70,1033.47 -81.5,1021.97 -81.5,652.33 -77.4,648.23 K3.1@-49.64,648.23 K3.2@119.65,648.23 ; v1(270,1170.91) 271.13,1172.03 271.13,1265.58 U2.2@272.05,1266.5
  Bottom Layer w7: v1(-70,1035.91) -67.56,1035.91 -62.56,1040.91 225.26,1040.91 315,1130.65 315,1166.8 310.9,1170.91 v1(270,1170.91) 194.99,1170.91 104.96,1260.94 -18.97,1260.94 -109,1350.96 -109,1875.85 -94.94,1889.91 -62.83,1889.91 -43.32,1909.41 29.61,1909.41 75.1,1954.91 685.06,1954.91 713.06,1982.9 983,1982.9 JP_EX.12@1035,1930.91
LED_BLUE: LED_BLUE.2 U2.53 | length 576.8
  Top Layer w7: LED_BLUE.2@85.83,1150.91 85.32,1150.91 67.33,1168.89 67.33,1268.5 56.42,1279.41 25.59,1279.41 0.24,1304.76 0.24,1389.58 56.9,1446.25 103.34,1446.25 113,1455.91 113,1512.9 137.56,1537.47 137.56,1540.18 146,1548.62 176.22,1548.62 U2.53@181.5,1553.9
LED_GREEN: LED_GREEN.2 U2.54 | length 519.4
  Top Layer w7: LED_GREEN.2@85.83,1205.91 86.64,1205.91 104.33,1223.59 104.33,1271.5 93.92,1281.91 75.06,1281.91 65.56,1291.41 33.59,1291.41 12.24,1312.76 12.24,1384.61 61.87,1434.25 108.31,1434.25 125,1450.94 125,1507.93 146,1528.93 176.22,1528.93 U2.54@181.5,1534.21
M1EA: EM1.3 RP12.2 U2.50 | length 1474
  Top Layer w7: U2.50@181.5,1612.95 211.71,1612.95 239.66,1585 280.91,1585 298.5,1567.41 533.5,1567.41 v1(555,1545.91) ; v1(1089.51,1204.66) 1110,1184.17 1110,1112.72 1123.07,1099.65 1137.59,1099.65 RP12.2@1140,1097.24
  Bottom Layer w7: v1(555,1545.91) 666.11,1434.8 666.11,1426.33 775.49,1316.94 902.35,1316.94 933.96,1348.55 933.96,1416.94 ; EM1.3@880,1470.91 933.96,1416.94 ; v1(1089.51,1204.66) 1088.26,1205.91 1049.6,1205.91 1015,1240.51 1015,1335.91 933.96,1416.94
M1EB: EM1.4 RP12.1 U2.55 | length 1730.3
  Top Layer w7: U2.55@181.5,1514.53 250.59,1514.53 287.47,1551.41 519.5,1551.41 v1(520,1550.91) ; v1(1125,1220) 1125,1217.56 1131.69,1210.88 1131.69,1123.27 1136.06,1118.9 RP12.1@1140,1118.9
  Bottom Layer w7: v1(520,1550.91) 521.72,1552.63 538.16,1552.63 547.94,1562.41 561.83,1562.41 582.84,1541.4 582.84,1536.91 790.81,1328.94 897.38,1328.94 921.96,1353.52 921.96,1388.29 890.25,1420 870.91,1420 838.04,1452.87 838.04,1528.94 EM1.4@880,1570.91 1035,1415.91 1035,1280.59 1095.59,1220 v1(1125,1220)
M1IN1: U2.8 U4.21 | length 1027
  Top Layer w7: v1(390,1430.91) 390.16,1430.75 U2.8@390.16,1266.5 ; v1(1010,1023.27) U4.21@1070,1023.27
  Bottom Layer w7: v1(390,1430.91) 391.72,1429.18 391.72,1405.85 425.17,1372.41 457.43,1372.41 486.24,1343.6 552.16,1343.6 872.49,1023.27 v1(1010,1023.27)
M1IN2: U2.9 U4.22 | length 968.6
  Top Layer w7: U2.9@409.84,1266.5 409.84,1349.08 409.84,1420.75 v1(410,1420.91) ; v1(1010,1048.86) U4.22@1070,1048.86
  Bottom Layer w7: v1(410,1420.91) 446.5,1384.41 462.4,1384.41 491.21,1355.6 557.13,1355.6 863.87,1048.86 v1(1010,1048.86)
M1OUT1: EM1.1 U4.1 U4.2 | length 546.2
  Top Layer w40: EM1.1@880,1270.91 775,1270.91 730,1225.91 730,1114.34 753.43,1090.91 ; 753.43,1090.91 800,1090.91 ; 753.43,1090.91 800,1090.91 ; 753.43,1090.91 800,1090.91 ; 753.43,1090.91 800,1090.91 ; 753.43,1090.91 800,1090.91
M1OUT2: EM1.6 U4.5 U4.6 | length 1066.7
  Top Layer w40: EM1.6@880,1770.91 879.39,1770.3 859.7,1770.3 805,1715.6 805,1380.91 685,1260.91 685,1035.91 730.51,990.39 774.17,990.39 778.66,985.91 ; 778.66,985.91 803.66,985.91 ; 778.66,985.91 803.66,985.91 ; 778.66,985.91 803.66,985.91 ; 778.66,985.91 803.66,985.91 ; 778.66,985.91 803.66,985.91
M1PWM: U2.37 U4.23 | length 1157.9
  Top Layer w7: U2.37@468.9,1703.5 469.45,1702.95 469.45,1626.46 v1(470,1625.91) ; v1(1009.13,1073.58) 1009.57,1074.02 1069.57,1074.02 U4.23@1070,1074.45
  Bottom Layer w7: v1(470,1625.91) 468.5,1624.41 411.97,1624.41 369.96,1582.39 369.96,1496.01 498.37,1367.6 562.1,1367.6 856.11,1073.58 v1(1009.13,1073.58)
M2EA: EM2.3 RP12.4 U2.56 | length 1888.2
  Top Layer w7: U2.56@181.5,1494.84 181.93,1494.41 368.04,1494.41 383.04,1479.41 509.28,1479.41 514.42,1474.27 v1(516.86,1474.27) ; RP12.4@1140,1055.91 1140.63,1055.91 1145,1051.53 v1(1145,1031.31)
  Bottom Layer w7: v1(516.86,1474.27) 516.86,1471.83 523.5,1465.19 523.5,1461.26 533.17,1451.6 596.9,1451.6 882.59,1165.91 1120.92,1165.91 1205,1249.99 1205,1395.91 ; EM2.3@1130,1470.91 1205,1395.91 ; v1(1145,1031.31) 1146.72,1033.03 1162.12,1033.03 1220,1090.91 1220,1380.91 1205,1395.91
M2EB: EM2.4 RP12.3 U2.57 | length 2295.2
  Top Layer w7: U2.57@181.5,1475.16 182.42,1474.24 215.35,1474.24 215.68,1473.91 371.57,1473.91 388.07,1457.41 526.88,1457.41 537.56,1468.1 v1(540,1468.1) ; v1(1120,1030) 1119.69,1030.31 1119.69,1067.3 1127.54,1075.15 1137.59,1075.15 RP12.3@1140,1077.56
  Bottom Layer w7: v1(540,1468.1) 597.37,1468.1 884.56,1180.91 1118.95,1180.91 1171.96,1233.92 1171.96,1292.87 1190,1310.91 1190,1370.25 1140.25,1420 1121.56,1420 1088.04,1453.52 1088.04,1528.94 EM2.4@1130,1570.91 1232,1468.91 1232,1085.94 1160.87,1014.81 1135.92,1014.81 1120.72,1030 v1(1120,1030)
M2IN1: U2.10 U4.17 | length 909.8
  Top Layer w7: U2.10@429.53,1266.5 429.76,1266.73 429.76,1355.67 v1(430,1355.91) ; v1(1010,920.91) U4.17@1070,920.91
  Bottom Layer w7: v1(430,1355.91) 456.96,1355.91 481.27,1331.6 547.19,1331.6 957.64,921.15 1009.76,921.15 v1(1010,920.91)
M2IN2: U2.11 U4.16 | length 849.2
  Top Layer w7: U2.11@449.21,1266.5 449.21,1312.43 460.88,1324.1 v1(461.25,1324.1) ; v1(1010,895.31) U4.16@1070,895.31
  Bottom Layer w7: v1(461.25,1324.1) 462.98,1322.37 473.52,1322.37 476.3,1319.6 542.22,1319.6 966.5,895.31 v1(1010,895.31)
M2OUT1: EM2.1 U4.11 U4.12 | length 670.3
  Top Layer w40: 755,830.91 778.66,830.91 832.58,830.91 915,913.33 915,1106.36 1068.55,1259.91 1119,1259.91 EM2.1@1130,1270.91
M2OUT2: EM2.6 U4.7 U4.8 | length 1108.5
  Top Layer w40: 755,930.91 778.66,930.91 846.57,930.91 870,954.34 870,1125 1005,1260 1005,1747.47 1028.43,1770.91 EM2.6@1130,1770.91
M2PWM: U2.38 U4.15 | length 1294.5
  Top Layer w7: U2.38@449.21,1703.5 449.61,1703.11 449.61,1641.3 v1(450,1640.91) ; v1(1010,869.72) U4.15@1070,869.72
  Bottom Layer w7: v1(450,1640.91) 411.5,1640.91 357.96,1587.36 357.96,1402.95 453.31,1307.6 537.25,1307.6 975.12,869.72 v1(1010,869.72)
M3EA: EM3.3 RP34.2 U2.58 | length 2548.4
  Top Layer w7: U2.58@181.5,1455.47 181.71,1455.69 304.78,1455.69 v1(305,1455.91) ; v1(1630,1145.91) 1645,1145.91 1665.32,1125.59 1665.32,1107.5 1673.17,1099.65 1683.22,1099.65 RP34.2@1685.63,1097.24
  Bottom Layer w7: v1(305,1455.91) 335,1455.91 345,1445.91 345,1398.94 448.34,1295.6 532.28,1295.6 976.97,850.91 1590,850.91 1600,860.91 1600,1115.91 v1(1630,1145.91) 1570.03,1145.91 1485,1230.94 1485,1365.91 EM3.3@1380,1470.91
M3EB: EM3.4 RP34.1 U2.59 | length 2656.6
  Top Layer w7: U2.59@181.5,1435.79 321.18,1435.79 326.06,1430.91 v1(328.5,1430.91) ; v1(1640,1165.91) 1641.97,1165.91 1677.32,1130.56 1677.32,1123.27 1681.69,1118.9 RP34.1@1685.63,1118.9
  Bottom Layer w7: v1(328.5,1430.91) 328.5,1398.46 443.37,1283.6 527.31,1283.6 973.18,837.72 1593.79,837.72 1612,855.94 1612,1097.91 1646.5,1132.41 1646.5,1159.41 v1(1640,1165.91) 1638.28,1167.63 1623.75,1167.63 1623.47,1167.91 1565,1167.91 1497,1235.91 1497,1453.91 EM3.4@1380,1570.91
M3IN1: U2.24 U5.21 | length 1618.5
  Top Layer w7: v1(455,1495.91) 457.5,1493.41 538.02,1493.41 556.27,1475.16 U2.24@618.5,1475.16 ; v1(1560,1023.98) U5.21@1615.67,1023.98
  Bottom Layer w7: v1(455,1495.91) 456.44,1494.46 456.44,1477.41 518.25,1415.6 581.99,1415.6 867.68,1129.91 1027.06,1129.91 1076,1080.96 1076,1007.85 1105.06,978.8 1514.82,978.8 v1(1560,1023.98)
M3IN2: U2.25 U5.22 | length 1601.1
  Top Layer w7: v1(470,1510.91) 475.5,1505.41 542.99,1505.41 553.56,1494.84 U2.25@618.5,1494.84 ; v1(1560,1049.57) U5.22@1615.67,1049.57
  Bottom Layer w7: v1(470,1510.91) 471.91,1508.99 471.91,1478.91 523.22,1427.6 586.96,1427.6 872.65,1141.91 1032.03,1141.91 1088,1085.94 1088,1012.82 1110.03,990.8 1501.23,990.8 v1(1560,1049.57)
M3OUT1: EM3.1 U5.1 U5.2 | length 209.5
  Top Layer w40: 1306.93,1112.87 1306.93,1234.01 1330.36,1257.44 1366.54,1257.44 EM3.1@1380,1270.91
M3OUT2: EM3.6 U5.5 U5.6 | length 896.2
  Top Layer w40: 1291.69,982.58 1281.19,991.1 1250,1022.29 1250,1335.91 1295,1380.91 1295,1747.47 1318.43,1770.91 EM3.6@1380,1770.91
M3PWM: U2.39 U5.23 | length 1720.4
  Top Layer w7: U2.39@429.53,1703.5 429.53,1616.38 455,1590.91 v1(530,1590.91) ; v1(1560,1075.16) U5.23@1615.67,1075.16
  Bottom Layer w7: v1(530,1590.91) 493.21,1554.11 493.21,1474.58 528.2,1439.6 591.93,1439.6 877.62,1153.91 1037,1153.91 1100,1090.91 1100,1017.8 1115,1002.8 1487.64,1002.8 v1(1560,1075.16)
M4EA: EM4.3 RP34.4 U2.14 | length 2170.9
  Top Layer w7: U2.14@508.27,1266.5 508.27,1214.76 530,1193.03 530,1192.57 571.67,1150.91 595,1150.91 v1(614.17,1170.07) ; v1(1685,1030.91) 1685,1055.28 RP34.4@1685.63,1055.91
  Bottom Layer w7: v1(614.17,1170.07) 614.3,1170.07 958.65,825.72 1598.76,825.72 1630,856.96 1630,1045.91 1645,1060.91 1670,1060.91 1685,1045.91 v1(1685,1030.91) 1710,1030.91 1725,1045.91 1725,1375.91 EM4.3@1630,1470.91
M4EB: EM4.4 RP34.3 U2.15 | length 2281
  Top Layer w7: U2.15@527.95,1266.5 527.95,1212.05 572.59,1167.41 v1(584.85,1167.41) ; v1(1663.69,1039.75) 1663.69,1065.67 1673.17,1075.15 1683.22,1075.15 RP34.3@1685.63,1077.56
  Bottom Layer w7: v1(584.85,1167.41) 938.53,813.72 1603.73,813.72 1647.83,857.82 1647.83,1035.25 1651.93,1039.35 1663.29,1039.35 v1(1663.69,1039.75) ; EM4.4@1630,1570.91 1737,1463.91 1737,1040.94 1710.47,1014.41 1678.17,1014.41 1664.27,1028.3 1664.27,1039.3 v1@1663.75,1039.82